# KiCad board FPGA_DevBoard.kicad_pcb (continued)
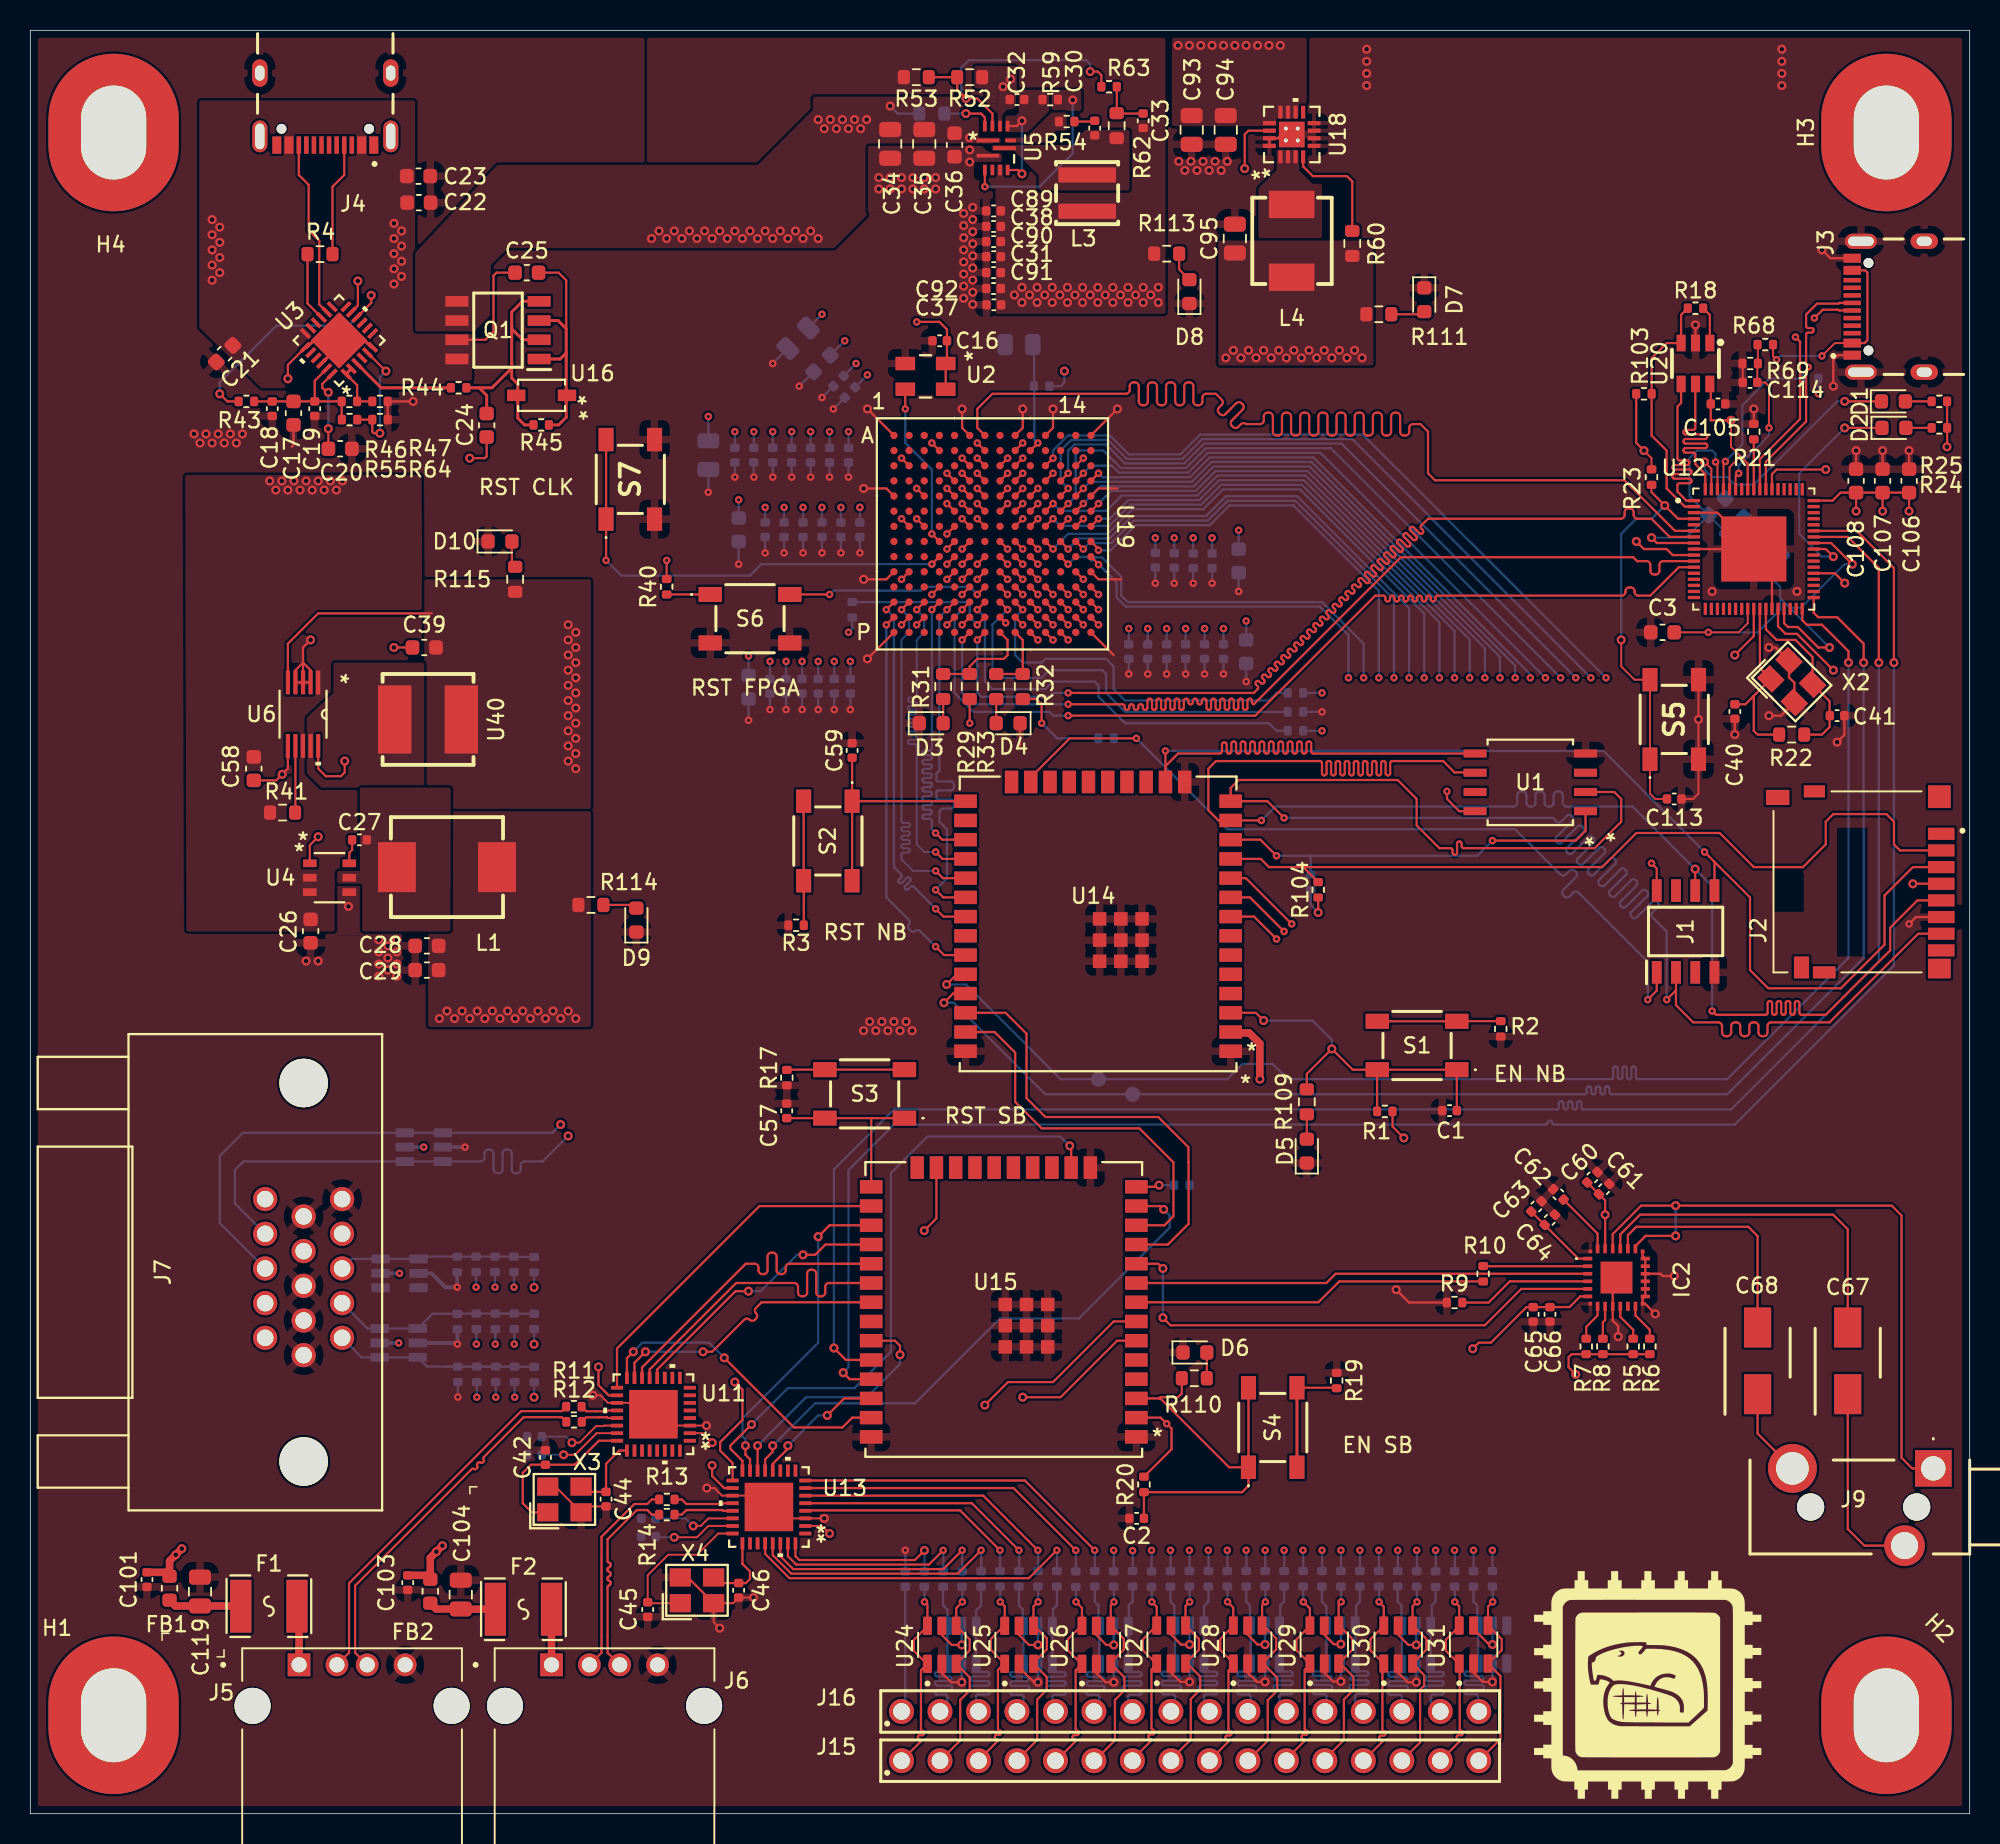
[diagram p0: board, top side]
## Routing (per net, layer and track width the routed paths; a pad name or vN(x,y) marks a point on that pad's centre or on a via; arc(x,y) is an arc through that point) (continued)
/FPGA_UNIT_B/GPIO_OUT_23: length 14.6
  Bottom signal w0.15: R93.2 75.25,14 75.5,13.75 75.5,12.49 U32.4 U32.3 75.56,9.5 arc(75.53,9.41) 75.44,9.38 74.8,9.38 arc(74.72,9.34) 74.68,9.26 74.68,9.2 arc(74.72,9.11) 74.8,9.08 75.77,9.08 arc(75.86,9.04) 75.89,8.96 75.89,8.9 arc(75.86,8.81) 75.77,8.78 74.8,8.78 arc(74.72,8.74) 74.68,8.66 74.68,8.6 arc(74.72,8.51) 74.8,8.48 75.82,8.48 arc(75.91,8.44) 75.94,8.36 75.94,8.3 arc(75.91,8.21) 75.82,8.18 74.8,8.18 arc(74.72,8.14) 74.68,8.06 74.68,8 arc(74.72,7.91) 74.8,7.88 75.44,7.88 arc(75.53,7.84) 75.56,7.76 75.56,7.03 J16.8
/FPGA_UNIT_B/GPIO_OUT_24: length 14.6
  Bottom signal w0.15: R94.2 77.75,14 77.46,13.71 U32.6 U32.1 77.46,9.5 arc(77.5,9.41) 77.58,9.38 78.22,9.38 arc(78.3,9.34) 78.34,9.26 78.34,9.2 arc(78.3,9.11) 78.22,9.08 77.26,9.08 arc(77.17,9.04) 77.14,8.96 77.14,8.9 arc(77.17,8.81) 77.26,8.78 78.22,8.78 arc(78.3,8.74) 78.34,8.66 78.34,8.6 arc(78.3,8.51) 78.22,8.48 77.21,8.48 arc(77.12,8.44) 77.09,8.36 77.09,8.3 arc(77.12,8.21) 77.21,8.18 78.22,8.18 arc(78.3,8.14) 78.34,8.06 78.34,8 arc(78.3,7.91) 78.22,7.88 77.58,7.88 arc(77.5,7.84) 77.46,7.76 77.46,7.11 J16.9
/FPGA_UNIT_B/GPIO_OUT_25: length 14.4
  Bottom signal w0.15: J16.10 80.54,6.93 80.54,7.75 arc(80.51,7.84) 80.42,7.87 79.79,7.87 arc(79.71,7.91) 79.67,7.99 79.67,8.05 arc(79.71,8.14) 79.79,8.17 80.79,8.17 arc(80.88,8.21) 80.91,8.29 80.91,8.35 arc(80.88,8.44) 80.79,8.47 79.79,8.47 arc(79.71,8.51) 79.67,8.59 79.67,8.65 arc(79.71,8.74) 79.79,8.77 80.74,8.77 arc(80.83,8.81) 80.86,8.89 80.86,8.95 arc(80.83,9.04) 80.74,9.07 79.79,9.07 arc(79.71,9.11) 79.67,9.19 79.67,9.25 arc(79.71,9.34) 79.79,9.37 80.42,9.37 arc(80.51,9.41) 80.54,9.49 U33.3 U33.4 80.5,12.46 80.5,13.75 80.25,14 R95.2
/FPGA_UNIT_B/GPIO_OUT_26: length 14.6
  Bottom signal w0.15: R96.2 82.75,14 82.5,13.75 82.5,12.48 U33.6 U33.1 82.44,9.51 arc(82.48,9.42) 82.56,9.39 83.19,9.39 arc(83.28,9.35) 83.31,9.27 83.31,9.21 arc(83.28,9.12) 83.19,9.09 82.24,9.09 arc(82.15,9.05) 82.12,8.97 82.12,8.91 arc(82.15,8.82) 82.24,8.79 83.19,8.79 arc(83.28,8.75) 83.31,8.67 83.31,8.61 arc(83.28,8.52) 83.19,8.49 82.19,8.49 arc(82.1,8.45) 82.07,8.37 82.07,8.31 arc(82.1,8.22) 82.19,8.19 83.19,8.19 arc(83.28,8.15) 83.31,8.07 83.31,8.01 arc(83.28,7.92) 83.19,7.89 82.56,7.89 arc(82.48,7.85) 82.44,7.77 82.44,7.21 J16.11
/FPGA_UNIT_B/GPIO_OUT_27: length 14.5
  Bottom signal w0.15: R97.2 85.25,14 85.54,13.71 U34.4 U34.3 85.54,9.51 arc(85.51,9.43) 85.42,9.39 84.78,9.39 arc(84.7,9.36) 84.66,9.27 84.66,9.21 arc(84.7,9.13) 84.78,9.09 85.76,9.09 arc(85.84,9.06) 85.88,8.97 85.88,8.91 arc(85.84,8.83) 85.76,8.79 84.78,8.79 arc(84.7,8.76) 84.66,8.67 84.66,8.61 arc(84.7,8.53) 84.78,8.49 85.81,8.49 arc(85.89,8.46) 85.93,8.37 85.93,8.31 arc(85.89,8.23) 85.81,8.19 84.78,8.19 arc(84.7,8.16) 84.66,8.07 84.66,8.01 arc(84.7,7.93) 84.78,7.89 85.42,7.89 arc(85.51,7.86) 85.54,7.77 85.54,6.85 J16.12
/FPGA_UNIT_B/GPIO_OUT_28: length 14.5
  Bottom signal w0.15: R98.2 87.75,14 87.5,13.75 87.5,12.48 U34.6 U34.1 87.44,9.53 arc(87.48,9.44) 87.56,9.41 88.19,9.41 arc(88.28,9.37) 88.31,9.29 88.31,9.23 arc(88.28,9.14) 88.19,9.11 87.25,9.11 arc(87.16,9.07) 87.13,8.99 87.13,8.93 arc(87.16,8.84) 87.25,8.81 88.19,8.81 arc(88.28,8.77) 88.31,8.69 88.31,8.63 arc(88.28,8.54) 88.19,8.51 87.2,8.51 arc(87.11,8.47) 87.08,8.39 87.08,8.33 arc(87.11,8.24) 87.2,8.21 88.19,8.21 arc(88.28,8.17) 88.31,8.09 88.31,8.03 arc(88.28,7.94) 88.19,7.91 87.56,7.91 arc(87.48,7.87) 87.44,7.79 87.44,7.29 J16.13
/FPGA_UNIT_B/GPIO_OUT_29: length 14.5
  Bottom signal w0.15: R99.2 90.25,14 90.5,13.75 90.5,12.42 U35.4 U35.3 90.52,9.47 arc(90.49,9.39) 90.4,9.35 89.76,9.35 arc(89.67,9.32) 89.64,9.23 89.64,9.17 arc(89.67,9.09) 89.76,9.05 90.74,9.05 arc(90.83,9.02) 90.86,8.93 90.86,8.87 arc(90.83,8.79) 90.74,8.75 89.76,8.75 arc(89.67,8.72) 89.64,8.63 89.64,8.57 arc(89.67,8.49) 89.76,8.45 90.79,8.45 arc(90.88,8.42) 90.91,8.33 90.91,8.27 arc(90.88,8.19) 90.79,8.15 89.76,8.15 arc(89.67,8.12) 89.64,8.03 89.64,7.97 arc(89.67,7.89) 89.76,7.85 90.4,7.85 arc(90.49,7.82) 90.52,7.73 90.52,6.75 J16.14
/FPGA_UNIT_B/GPIO_OUT_30: length 14.5
  Bottom signal w0.15: J16.15 92.42,7.39 92.42,7.74 arc(92.46,7.83) 92.54,7.86 93.16,7.86 arc(93.25,7.9) 93.28,7.98 93.28,8.04 arc(93.25,8.13) 93.16,8.16 92.18,8.16 arc(92.1,8.2) 92.06,8.28 92.06,8.34 arc(92.1,8.43) 92.18,8.46 93.16,8.46 arc(93.25,8.5) 93.28,8.58 93.28,8.64 arc(93.25,8.73) 93.16,8.76 92.23,8.76 arc(92.15,8.8) 92.11,8.88 92.11,8.94 arc(92.15,9.03) 92.23,9.06 93.16,9.06 arc(93.25,9.1) 93.28,9.18 93.28,9.24 arc(93.25,9.33) 93.16,9.36 92.54,9.36 arc(92.46,9.4) 92.42,9.48 U35.1 U35.6 92.5,12.48 92.5,13.75 92.75,14 R100.2
/FPGA_UNIT_B/GPIO_OUT_31: length 14.5
  Bottom signal w0.15: R101.2 95.25,14 95.5,13.75 95.5,12.48 U36.4 U36.3 95.55,9.51 arc(95.52,9.42) 95.43,9.39 94.79,9.39 arc(94.7,9.35) 94.67,9.27 94.67,9.21 arc(94.7,9.12) 94.79,9.09 95.77,9.09 arc(95.85,9.05) 95.89,8.97 95.89,8.91 arc(95.85,8.82) 95.77,8.79 94.79,8.79 arc(94.7,8.75) 94.67,8.67 94.67,8.61 arc(94.7,8.52) 94.79,8.49 95.82,8.49 arc(95.9,8.45) 95.94,8.37 95.94,8.31 arc(95.9,8.22) 95.82,8.19 94.79,8.19 arc(94.7,8.15) 94.67,8.07 94.67,8.01 arc(94.7,7.92) 94.79,7.89 95.43,7.89 arc(95.52,7.85) 95.55,7.77 95.55,6.8 J16.16
/FPGA_UNIT_B/Green: length 15
  Bottom signal w0.15: R49.2 R48.2 ; R48.2 31.95,33.01 R107.2 ; R48.2 28.2,33.02 R56.1 26.54,33.01 U37.1 U37.6 22.26,32.03 J7.2
/FPGA_UNIT_B/HSYNC: length 90.5
  Top signal w0.15: U19.N10 v1(66.5,78.5)
  Top PWR w0.15: v1(66.5,78.5) 66,78 66,77 61.78,72.78 61.03,72.78 60.75,72.5 60.75,55.22 61,54.97 61,54.53 60.75,54.28 60.75,53.84 60.83,53.76 60.83,53.33 60.75,53.25 60.75,52.5 59.25,51 40.5,51 v2(35,45.5)
  Bottom signal w0.15: v2(35,45.5) 34.46,44.96 U39.1 U39.6 14.04,44.96 12.5,43.42 12.5,39 J7.13
/FPGA_UNIT_B/Red: length 18
  Bottom signal w0.15: R108.2 31.98,29.51 R57.2 ; 27.45,29.52 R57.2 ; R57.2 R65.1 26.18,29.52 U37.3 U37.4 21.87,30.13 J7.1
/FPGA_UNIT_B/VSYNC: length 90.4
  Top signal w0.15: U19.P10 v1(66.5,77.5)
  Top PWR w0.15: v1(66.5,77.5) 66.5,77 61.97,72.47 61.8,72.47 61.5,72.17 61.5,52.19 59.56,50.25 41,50.25 v2(35.5,44.75)
  Bottom signal w0.15: v2(35.5,44.75) 33.82,43.07 32.61,43.07 arc(32.44,43) 32.37,42.83 32.37,42.53 arc(32.3,42.36) 32.13,42.29 32.01,42.29 arc(31.84,42.36) 31.77,42.53 31.77,43.61 arc(31.7,43.78) 31.53,43.85 31.41,43.85 arc(31.24,43.78) 31.17,43.61 31.17,42.53 arc(31.1,42.36) 30.93,42.29 30.81,42.29 arc(30.64,42.36) 30.57,42.53 30.57,43.61 arc(30.5,43.78) 30.33,43.85 30.21,43.85 arc(30.04,43.78) 29.97,43.61 29.97,43.31 arc(29.9,43.14) 29.73,43.07 14.07,43.07 13.5,42.5 13.5,40.29 J7.14
/NorthBridge/EN: length 25.6
  Top signal w0.15: U14.3 80.89,52.88 v2(81.4,52.37) ; S1.2 88.89,49.11 R1.2 ; S1.2 87.28,49.12 v2(85.9,50.5) 84.25,48.85 R109.1 ; S1.2 S1.1 C1.1
  Bottom signal w0.15: v2(85.9,50.5) 85.9,51.1 84.63,52.37 v2(81.4,52.37)
/NorthBridge/HSPI_CLK: length 110.8
  Top signal w0.15: 126.5,60.3 124.55,60.3 122.75,58.5 122.75,57 118.5,52.75 116.88,52.75 arc(116.79,52.79) 116.76,52.87 116.76,53.53 arc(116.72,53.62) 116.64,53.65 116.58,53.65 arc(116.49,53.62) 116.46,53.53 116.46,52.87 arc(116.42,52.79) 116.34,52.75 116.28,52.75 arc(116.19,52.79) 116.16,52.87 116.16,53.53 arc(116.12,53.62) 116.04,53.65 115.98,53.65 arc(115.89,53.62) 115.86,53.53 115.86,52.87 arc(115.82,52.79) 115.74,52.75 115.68,52.75 arc(115.59,52.79) 115.56,52.87 115.56,53.53 arc(115.52,53.62) 115.44,53.65 115.38,53.65 arc(115.29,53.62) 115.26,53.53 115.26,52.87 arc(115.22,52.79) 115.14,52.75 115.08,52.75 arc(114.99,52.79) 114.96,52.87 114.96,53.53 arc(114.92,53.62) 114.84,53.65 114.78,53.65 arc(114.69,53.62) 114.66,53.53 114.66,52.87 arc(114.62,52.79) 114.54,52.75 111.25,52.75 v1(111,53) ; U1.6 95.34,68.75 94,68.75 93.25,69.5 89.87,69.5 arc(89.79,69.46) 89.75,69.38 89.75,68.68 arc(89.72,68.6) 89.63,68.56 89.57,68.56 arc(89.49,68.6) 89.45,68.68 89.45,69.38 arc(89.42,69.46) 89.33,69.5 89.27,69.5 arc(89.19,69.46) 89.15,69.38 89.15,68.68 arc(89.12,68.6) 89.03,68.56 88.97,68.56 arc(88.89,68.6) 88.85,68.68 88.85,69.38 arc(88.82,69.46) 88.73,69.5 88.67,69.5 arc(88.59,69.46) 88.55,69.38 88.55,68.68 arc(88.52,68.6) 88.43,68.56 88.37,68.56 arc(88.29,68.6) 88.25,68.68 88.25,69.38 arc(88.22,69.46) 88.13,69.5 88.07,69.5 arc(87.99,69.46) 87.95,69.38 87.95,68.68 arc(87.92,68.6) 87.83,68.56 87.77,68.56 arc(87.69,68.6) 87.65,68.68 87.65,69.38 arc(87.62,69.46) 87.53,69.5 87.47,69.5 arc(87.39,69.46) 87.35,69.38 87.35,68.68 arc(87.32,68.6) 87.23,68.56 87.17,68.56 arc(87.09,68.6) 87.05,68.68 87.05,69.38 arc(87.02,69.46) 86.93,69.5 86.87,69.5 arc(86.79,69.46) 86.75,69.38 86.75,68.68 arc(86.72,68.6) 86.63,68.56 86.57,68.56 arc(86.49,68.6) 86.45,68.68 86.45,69.38 arc(86.42,69.46) 86.33,69.5 86.27,69.5 arc(86.19,69.46) 86.15,69.38 86.15,68.68 arc(86.12,68.6) 86.03,68.56 85.97,68.56 arc(85.89,68.6) 85.85,68.68 85.85,69.38 arc(85.82,69.46) 85.73,69.5 85.67,69.5 arc(85.59,69.46) 85.55,69.38 85.55,68.68 arc(85.52,68.6) 85.43,68.56 85.37,68.56 arc(85.29,68.6) 85.25,68.68 85.25,69.38 arc(85.22,69.46) 85.13,69.5 78.25,69.5 77.75,69 77.75,66.25 78.42,65.58 U14.13 v1(81.25,65.58) ; J1.6 109.88,60.95 v2(109.88,62.37)
  Bottom signal w0.15: v1(111,53) 111,61.25 v2(109.88,62.37) 105.75,66.5 101.38,66.5 arc(101.21,66.57) 101.14,66.74 101.14,67.26 arc(101.07,67.43) 100.9,67.5 100.78,67.5 arc(100.61,67.43) 100.54,67.26 100.54,66.74 arc(100.47,66.57) 100.3,66.5 100.18,66.5 arc(100.01,66.57) 99.94,66.74 99.94,67.26 arc(99.87,67.43) 99.7,67.5 99.58,67.5 arc(99.41,67.43) 99.34,67.26 99.34,66.74 arc(99.27,66.57) 99.1,66.5 98.98,66.5 arc(98.81,66.57) 98.74,66.74 98.74,67.26 arc(98.67,67.43) 98.5,67.5 98.38,67.5 arc(98.21,67.43) 98.14,67.26 98.14,66.74 arc(98.07,66.57) 97.9,66.5 82.17,66.5 v1(81.25,65.58)
/NorthBridge/HSPI_CS_FL: length 27.1
  Top signal w0.15: U14.12 81.19,64.31 v1(82.25,63.25) ; U1.1 102.64,64.89 102,64.25 v1(96.5,64.25)
  Bottom signal w0.15: 84.5,63.25 95.5,63.25 v1(96.5,64.25) ; 84.5,63.25 R102.2 ; 84.5,63.25 v1(82.25,63.25)
/NorthBridge/HSPI_CS_PS: length 57
  Top signal w0.15: U14.23 66.03,68.42 68.61,71 v1(73,71) ; J1.1 107.34,54.34 v1(106.75,53.75)
  Bottom signal w0.15: R30.2 v1(73,71) 79,65 98,65 101,62 arc(101.17,61.93) 101.34,62 101.59,62.26 arc(101.76,62.33) 101.93,62.26 102.02,62.18 arc(102.09,62.01) 102.02,61.84 101.16,60.98 arc(101.09,60.81) 101.16,60.64 101.25,60.56 arc(101.42,60.49) 101.59,60.56 101.85,60.82 arc(102.02,60.89) 102.18,60.82 106.75,56.25 v1(106.75,53.75)
/NorthBridge/HSPI_CS_SD: length 55
  Top signal w0.15: 84,62.5 103.75,62.5 106,64.75 111.5,64.75 113.75,62.5 117,62.5 118.5,64 118.5,65.5 119,66 122.5,66 123,65.5 123,64 123.4,63.6 126.5,63.6 ; 84,62.5 81.75,62.5 81.21,63.04 U14.11 ; 84,62.5 84.01,62.5 R104.2
/NorthBridge/HSPI_MISO: length 130.2
  Top signal w0.15: 108.62,54.36 108.62,53.39 109.75,52.25 111.41,52.25 arc(111.58,52.18) 111.65,52.01 111.65,51.58 arc(111.73,51.41) 111.89,51.34 112.01,51.34 arc(112.18,51.41) 112.25,51.58 112.25,52.01 arc(112.33,52.18) 112.49,52.25 112.61,52.25 arc(112.78,52.18) 112.85,52.01 112.85,51.58 arc(112.93,51.41) 113.09,51.34 113.21,51.34 arc(113.38,51.41) 113.45,51.58 113.45,52.01 arc(113.53,52.18) 113.69,52.25 113.81,52.25 arc(113.98,52.18) 114.05,52.01 114.05,51.58 arc(114.13,51.41) 114.29,51.34 114.41,51.34 arc(114.58,51.41) 114.65,51.58 114.65,52.01 arc(114.73,52.18) 114.89,52.25 118.75,52.25 124.6,58.1 126.5,58.1 ; 108.62,54.36 J1.2 ; 108.62,54.36 v1(108,53.75) ; U1.2 104.54,67.46 105,67 105,65.5 103.25,63.75 94.59,63.75 arc(94.5,63.79) 94.47,63.87 94.47,64.07 arc(94.43,64.15) 94.35,64.19 94.29,64.19 arc(94.2,64.15) 94.17,64.07 94.17,63.43 arc(94.13,63.35) 94.05,63.31 93.99,63.31 arc(93.9,63.35) 93.87,63.43 93.87,63.63 arc(93.83,63.71) 93.75,63.75 93,63.75 91.5,65.25 91.5,67 90.25,68.25 79.75,68.25 79.22,67.72 U14.14 81.65,66.85 v1(82.75,65.75)
  Bottom signal w0.15: v1(82.75,65.75) 100.5,65.75 100.75,65.5 arc(100.89,65.44) 101.03,65.5 101.42,65.89 arc(101.56,65.95) 101.71,65.89 101.78,65.82 arc(101.84,65.68) 101.78,65.54 100.71,64.47 arc(100.65,64.33) 100.71,64.19 100.78,64.12 arc(100.93,64.06) 101.07,64.12 102.13,65.18 arc(102.27,65.24) 102.41,65.18 102.48,65.11 arc(102.54,64.97) 102.48,64.83 101.42,63.77 arc(101.36,63.62) 101.42,63.48 101.49,63.41 arc(101.63,63.35) 101.77,63.41 102.84,64.48 arc(102.98,64.53) 103.12,64.48 103.19,64.41 arc(103.25,64.26) 103.19,64.12 102.13,63.06 arc(102.07,62.92) 102.13,62.78 102.2,62.71 arc(102.34,62.65) 102.48,62.71 103.54,63.77 arc(103.69,63.83) 103.83,63.77 103.9,63.7 arc(103.96,63.56) 103.9,63.42 102.83,62.35 arc(102.78,62.21) 102.83,62.07 102.91,62 arc(103.05,61.94) 103.19,62 104.25,63.06 arc(104.39,63.12) 104.53,63.06 104.61,62.99 arc(104.66,62.85) 104.61,62.71 103.54,61.64 arc(103.48,61.5) 103.54,61.36 103.61,61.29 arc(103.75,61.23) 103.9,61.29 104.96,62.35 arc(105.1,62.41) 105.24,62.35 105.31,62.28 arc(105.37,62.14) 105.31,62 104.25,60.94 arc(104.19,60.8) 104.25,60.65 104.32,60.58 arc(104.46,60.53) 104.6,60.58 105.67,61.65 arc(105.81,61.71) 105.95,61.65 106.02,61.58 arc(106.08,61.44) 106.02,61.29 104.96,60.23 arc(104.9,60.09) 104.96,59.95 105.03,59.88 arc(105.17,59.82) 105.31,59.88 106.37,60.94 arc(106.51,61) 106.66,60.94 106.73,60.87 arc(106.79,60.73) 106.73,60.59 105.66,59.52 arc(105.6,59.38) 105.66,59.24 105.73,59.17 arc(105.87,59.11) 106.02,59.17 107.08,60.23 arc(107.22,60.29) 107.36,60.23 107.43,60.16 arc(107.49,60.02) 107.43,59.88 107.04,59.49 arc(106.98,59.35) 107.04,59.21 108,58.25 v1(108,53.75)
/NorthBridge/HSPI_MOSI: length 105.1
  Top signal w0.15: 111.12,62.88 v1(110.5,63.5) ; 111.12,62.88 111.16,62.84 J1.5 ; 111.12,62.88 113.5,60.5 113.5,55.7 114.7,54.5 119.5,54.5 122.38,57.38 122.38,60.62 124.25,62.5 126.5,62.5 ; 95,70 84.66,70 arc(84.58,70.04) 84.54,70.12 84.54,70.66 arc(84.5,70.75) 84.42,70.79 84.35,70.79 arc(84.27,70.75) 84.23,70.66 84.23,70.12 arc(84.19,70.04) 84.11,70 84.04,70 arc(83.96,70.04) 83.92,70.12 83.92,70.66 arc(83.88,70.75) 83.8,70.79 83.73,70.79 arc(83.65,70.75) 83.61,70.66 83.61,70.12 arc(83.57,70.04) 83.49,70 83.42,70 arc(83.34,70.04) 83.3,70.12 83.3,70.66 arc(83.26,70.75) 83.18,70.79 83.11,70.79 arc(83.03,70.75) 82.99,70.66 82.99,70.12 arc(82.95,70.04) 82.87,70 82.8,70 arc(82.72,70.04) 82.68,70.12 82.68,70.66 arc(82.64,70.75) 82.56,70.79 82.49,70.79 arc(82.41,70.75) 82.37,70.66 82.37,70.12 arc(82.33,70.04) 82.25,70 82.18,70 arc(82.1,70.04) 82.06,70.12 82.06,70.66 arc(82.02,70.75) 81.94,70.79 81.87,70.79 arc(81.79,70.75) 81.75,70.66 81.75,70.12 arc(81.71,70.04) 81.63,70 81.56,70 arc(81.48,70.04) 81.44,70.12 81.44,70.66 arc(81.4,70.75) 81.32,70.79 81.25,70.79 arc(81.17,70.75) 81.13,70.66 81.13,70.12 arc(81.09,70.04) 81.01,70 80.94,70 arc(80.86,70.04) 80.82,70.12 80.82,70.66 arc(80.78,70.75) 80.7,70.79 80.63,70.79 arc(80.55,70.75) 80.51,70.66 80.51,70.12 arc(80.47,70.04) 80.39,70 80.32,70 arc(80.24,70.04) 80.2,70.12 80.2,70.66 arc(80.16,70.75) 80.08,70.79 80.01,70.79 arc(79.93,70.75) 79.89,70.66 79.89,70.12 arc(79.85,70.04) 79.77,70 79.7,70 arc(79.62,70.04) 79.58,70.12 79.58,70.66 arc(79.54,70.75) 79.46,70.79 79.39,70.79 arc(79.31,70.75) 79.27,70.66 79.27,70.12 arc(79.23,70.04) 79.15,70 79.08,70 arc(79,70.04) 78.96,70.12 78.96,70.61 arc(78.92,70.7) 78.84,70.74 78.77,70.74 arc(78.69,70.7) 78.65,70.61 78.65,70.12 arc(78.61,70.04) 78.53,70 75.75,70 74.92,69.17 U14.16 v1(74.92,70.17)
  Bottom signal w0.15: v1(74.92,70.17) 103.83,70.17 v1(110.5,63.5)
/NorthBridge/Rst: length 15.6
  Top signal w0.15: U14.25 S2.1 ; S2.1 S2.2 ; S2.1 C59.1
/Power/CC1: length 7.5
  Top signal w0.15: J4.A5 20.72,108.2 19.95,107.42 R4.1
/Power/CC2: length 11.8
  Top signal w0.15: U3.14 19.07,99.65 19.07,103.85 18.37,104.55 18.37,107.55 17.72,108.2 J4.B5
/Power/ICFB: length 8.3
  Top signal w0.15: U3.5 v2(23.47,95.25) ; v2(23.07,91.15) 22.67,91.15 22.57,91.25 R64.1 R55.2
  Bottom signal w0.15: v2(23.47,95.25) 23.07,94.85 v2(23.07,91.15)
/Power/VFB: length 3.5
  Top signal w0.15: 21.57,93.35 21.57,94.32 U3.1 ; R46.2 R47.1
  Top signal w0.2: U3.1 U3.2
/SouthBridge/BCLK: length 6.9
  Top signal w0.15: IC2.2 95.9,36.15
/SouthBridge/COM: length 44.6
  Top signal w0.15: IC2.19 105.94,37.48 106.61,38.15 v2(108.59,38.15) ; IC2.22 104.44,38.27 106.31,40.15 v2(108.59,40.15) 122.85,40.15 123.5,39.5 123.5,23.5 124.2,22.8 J9.1
  Top signal w0.2: 105.93,37.38 105.93,37.4
  Bottom signal w0.15: v2(108.59,40.15) v2(108.59,38.15)
/SouthBridge/DIN: length 34.4
  Top signal w0.15: IC2.5 98.4,34.65 96,32.25 75.25,32.25 v2(74.75,32.75) ; v2(74.75,36) 74.44,36.31 U15.10
  Bottom signal w0.15: v2(74.75,36) v2(74.75,32.75)
/SouthBridge/EN: length 27.2
  Top signal w0.15: S4.1 80.4,21.65 79.98,21.23 R20.2 C2.1 ; S4.1 S4.2 ; S4.1 79.12,22.88 74.58,27.42 74.5,27.42 ; 74.5,27.42 74.58,27.5 75.75,27.5 76,27.75 R110.1 ; 74.5,27.42 U15.3
/SouthBridge/FSYNC: length 30
  Top signal w0.15: IC2.3 86.15,35.65 85.54,35.04 U15.9
/SouthBridge/OUTP1: length 16
  Top signal w0.15: IC2.20 105.44,38.2 105.99,38.75 113.39,38.75 114,38.14 C68.2
/SouthBridge/OUTP2: length 23.4
  Top signal w0.15: C67.2 119.95,38.59 118.99,39.55 106.24,39.55 104.94,38.25 IC2.21
/SouthBridge/Rst: length 12.3
  Top signal w0.15: 55.49,45.93 55.5,45.92 U15.25 ; 55.49,45.93 S3.1 ; 55.49,45.93 S3.2 C57.1
/USB_HUB/HOST1_X0: length 5.4
  Top signal w0.15: U11.25 38.87,23.97 38,23.1 C44.1 36.7,21.25 X3.3
/USB_HUB/HOST1_XI: length 11.5
  Top signal w0.15: 33.78,20.27 X3.1 33.1,19.9 32.5,20.5 32.5,22.5 33.04,23.04 C42.2 35.94,23.04 37.53,24.63 U11.24
/USB_HUB/HOST2_X0: length 5.2
  Top signal w0.15: X4.3 45.47,15.23 C46.1 47.23,15.23 47.5,15.5 47.5,16 47,16.5 U13.25
/USB_HUB/HOST2_XI: length 11.7
  Top signal w0.13: X4.1 40.81,13.9 C45.2 40.75,15.75 42.1,17.1 44,17.1 45.4,18.5 U13.24 ; X4.1 42.75,13.75 ; X4.1 43.2,13.9
  Top signal w0.15: X4.1 42.53,14.27
/USB_HUB/USB1+: length 2.5
  Top signal w0.15: R12.2 36.69,26.17 37.5,26.17 37.5,26.18 38.07,26.18 38.12,26.13 U11.21
/USB_HUB/USB1-: length 2.5
  Top signal w0.15: R11.2 36.69,26.57 37.34,26.57 37.35,26.58 38.07,26.58 38.12,26.63 U11.20
/USB_HUB/USB1_N: length 24.9
  Top signal w0.15: 20.22,9.85 J5.2 21.04,10.63 21.04,15.22 32.4,26.58 35.07,26.58 R11.1
/USB_HUB/USB1_P: length 24.9
  Top signal w0.15: R12.1 35.07,26.18 32.56,26.18 29.92,23.54 arc(29.89,23.47) 29.92,23.4 arc(29.95,23.33) 29.92,23.26 29.85,23.19 arc(29.78,23.16) 29.71,23.19 arc(29.64,23.21) 29.57,23.19 29.5,23.11 arc(29.47,23.04) 29.5,22.97 arc(29.53,22.9) 29.5,22.83 29.43,22.76 arc(29.36,22.73) 29.29,22.76 arc(29.21,22.79) 29.14,22.76 21.44,15.05 21.44,10.63 J5.3 22.12,9.95
/USB_HUB/USB2+: length 4
  Top signal w0.15: U13.21 45.74,20 45.69,20.05 43.3,20.05 43,19.75 R14.2
/USB_HUB/USB2-: length 4
  Top signal w0.15: R13.2 43,20.75 43.3,20.45 45.69,20.45 45.74,20.5 U13.20
/USB_HUB/USB2_N: length 13.7
  Top signal w0.15: 36.98,9.91 J6.2 37.7,10.63 37.7,18.28 39.87,20.45 40.72,20.45 41.02,20.75 R13.1
/USB_HUB/USB2_P: length 13.7
  Top signal w0.15: R14.1 41.02,19.75 40.72,20.05 40.03,20.05 38.1,18.12 38.1,16.67 arc(38.13,16.6) 38.2,16.57 arc(38.27,16.54) 38.3,16.47 38.3,16.37 arc(38.27,16.3) 38.2,16.27 arc(38.13,16.24) 38.1,16.17 38.1,16.07 arc(38.13,16) 38.2,15.97 arc(38.27,15.94) 38.3,15.87 38.3,15.77 arc(38.27,15.7) 38.2,15.67 arc(38.13,15.64) 38.1,15.57 38.1,15.47 arc(38.13,15.4) 38.2,15.37 arc(38.27,15.34) 38.3,15.27 38.3,15.17 arc(38.27,15.1) 38.2,15.07 arc(38.13,15.04) 38.1,14.97 38.1,10.63 J6.3 38.88,9.85
/USB_IN/PD1_SVBUS: length 11.1
  Top signal w0.13: U12.63 112.55,88.3 v1(112.75,88.5) ; v1(114.75,91.5) 114.75,94.25 114.5,94.5 C114.1 113.98,95.71 R69.2 114.02,96.98 R68.1
  Bottom signal w0.13: v1(114.75,91.5) 114.75,91 112.75,89 v1(112.75,88.5)
/USB_IN/USB_N: length 17.2
  Top signal w0.15: J3.A7 119.38,99.75 119.33,99.7 117.92,99.7 117.2,98.98 117.2,98.21 arc(117.24,98.13) 117.32,98.09 117.58,98.09 arc(117.66,98.05) 117.7,97.97 117.7,97.91 arc(117.66,97.83) 117.58,97.79 117.32,97.79 arc(117.24,97.75) 117.2,97.67 117.2,95.78 arc(117.24,95.7) 117.32,95.66 117.39,95.66 arc(117.47,95.63) 117.51,95.54 117.51,95.48 arc(117.47,95.4) 117.39,95.36 117.32,95.36 arc(117.24,95.33) 117.2,95.24 117.2,91.92 114.55,89.27 U12.58
/USB_IN/USB_P: length 15.8
  Top signal w0.15: v1(116.5,97.5) 116.8,97.2 116.8,92.08 114.15,89.43 U12.59 ; v1(117.75,98.75) 118.3,99.3 119.33,99.3 119.38,99.25 J3.A6
  Top PWR w0.15: v1(117.75,98.75) v1(116.5,97.5)
/USB_IN/VCORE: length 53.3
  Top signal w0.13: C3.1 v1(110.75,78) 112.75,78 113.35,78.6 U12.25 ; v1(111.23,89.25) 111.35,89.12 U12.66
  Top signal w0.15: U12.31 115.75,78.6 116,78.35 116.65,78.35 118,77 v2(118.75,77) ; v2(107,84.25) 107.35,83.9 U12.8 ; U12.44 118.85,83.9 v2(120.25,82.5)
  Bottom signal w0.13: v2(107,84.25) 109.28,84.25 C112.1 ; 116.12,79.62 116.88,79.62 119.75,82.5 v2(120.25,82.5) ; 116.12,79.62 115.5,80.25 ; 116.12,79.62 v2(118.75,77) ; 115.5,80.25 115.5,81 C109.1 C112.1 ; 115.5,80.25 115.5,79.5 114,78 v1(110.75,78) ; C112.1 109.5,87 109.5,89.5 110,90 111,90 111.23,89.77 v1(111.23,89.25)
/USB_IN/XTALIN: length 12.1
  Top signal w0.15: 113.75,73.81 113.19,73.25 C40.2 ; 113.75,73.81 113.75,71.5 114,71.25 R22.1 ; 113.75,73.81 X2.1 114.15,75.65 U12.27
/USB_IN/XTALOUT: length 12.2
  Top signal w0.15: R22.2 118.25,71.25 118.75,71.75 118.75,73.45 X2.3 117.63,76.37 116.5,77.5 115.25,77.5 114.55,78.2 U12.28
B0: length 86.7
  Top signal w0.15: U19.M10 v1(66.5,79.5)
  Top PWR w0.15: v1(66.5,79.5) 67,79 67,77 62.5,72.5 62.5,51.78 59.97,49.25 57.35,49.25 arc(57.23,49.3) 57.18,49.42 57.18,49.78 arc(57.13,49.9) 57.01,49.95 56.93,49.95 arc(56.81,49.9) 56.76,49.78 56.76,49.42 arc(56.71,49.3) 56.59,49.25 56.51,49.25 arc(56.39,49.3) 56.34,49.42 56.34,49.78 arc(56.29,49.9) 56.17,49.95 56.09,49.95 arc(55.97,49.9) 55.92,49.78 55.92,49.42 arc(55.87,49.3) 55.75,49.25 55.67,49.25 arc(55.55,49.3) 55.5,49.42 55.5,49.78 arc(55.45,49.9) 55.33,49.95 55.25,49.95 arc(55.13,49.9) 55.08,49.78 55.08,49.42 arc(55.03,49.3) 54.91,49.25 54.83,49.25 arc(54.71,49.3) 54.66,49.42 54.66,49.78 arc(54.61,49.9) 54.49,49.95 54.41,49.95 arc(54.29,49.9) 54.24,49.78 54.24,49.42 arc(54.19,49.3) 54.07,49.25 53.99,49.25 arc(53.87,49.3) 53.82,49.42 53.82,49.78 arc(53.77,49.9) 53.65,49.95 53.57,49.95 arc(53.45,49.9) 53.4,49.78 53.4,49.42 arc(53.35,49.3) 53.23,49.25 53.15,49.25 arc(53.03,49.3) 52.98,49.42 52.98,49.78 arc(52.93,49.9) 52.81,49.95 52.73,49.95 arc(52.61,49.9) 52.56,49.78 52.56,49.42 arc(52.51,49.3) 52.39,49.25 52.31,49.25 arc(52.19,49.3) 52.14,49.42 52.14,49.78 arc(52.09,49.9) 51.97,49.95 51.89,49.95 arc(51.77,49.9) 51.72,49.78 51.72,49.42 arc(51.67,49.3) 51.55,49.25 51.47,49.25 arc(51.35,49.3) 51.3,49.42 51.3,49.78 arc(51.25,49.9) 51.13,49.95 51.05,49.95 arc(50.93,49.9) 50.88,49.78 50.88,49.42 arc(50.83,49.3) 50.71,49.25 50.63,49.25 arc(50.51,49.3) 50.46,49.42 50.46,49.78 arc(50.41,49.9) 50.29,49.95 50.21,49.95 arc(50.09,49.9) 50.04,49.78 50.04,49.42 arc(49.99,49.3) 49.87,49.25 49.79,49.25 arc(49.67,49.3) 49.62,49.42 49.62,49.78 arc(49.57,49.9) 49.45,49.95 49.37,49.95 arc(49.25,49.9) 49.2,49.78 49.2,49.42 arc(49.15,49.3) 49.03,49.25 48.95,49.25 arc(48.83,49.3) 48.78,49.42 48.78,49.78 arc(48.73,49.9) 48.61,49.95 48.53,49.95 arc(48.41,49.9) 48.36,49.78 48.36,49.42 arc(48.31,49.3) 48.19,49.25 48.11,49.25 arc(47.99,49.3) 47.94,49.42 47.94,49.78 arc(47.89,49.9) 47.77,49.95 47.69,49.95 arc(47.57,49.9) 47.52,49.78 47.52,49.42 arc(47.47,49.3) 47.35,49.25 40.95,49.25 29.42,37.72 v1(29.42,34.77)
  Bottom signal w0.15: R28.1 v1(29.42,34.77)
B1: length 90.4
  Top signal w0.15: U19.P11 v1(67.5,77.5)
  Top PWR w0.15: v1(30.67,34.77) 30.67,38.42 40.75,48.5 60.28,48.5 60.54,48.76 arc(60.58,48.86) 60.54,48.96 60.45,49.05 arc(60.41,49.14) 60.45,49.24 60.5,49.29 arc(60.6,49.33) 60.7,49.29 60.79,49.2 arc(60.89,49.16) 60.99,49.2 61.04,49.25 arc(61.08,49.35) 61.04,49.45 60.95,49.54 arc(60.91,49.64) 60.95,49.74 61,49.79 arc(61.1,49.83) 61.2,49.79 61.28,49.7 arc(61.38,49.66) 61.48,49.7 61.53,49.75 arc(61.57,49.85) 61.53,49.95 61.44,50.03 arc(61.4,50.13) 61.44,50.23 61.49,50.28 arc(61.59,50.32) 61.69,50.28 61.78,50.19 arc(61.88,50.15) 61.98,50.19 62.03,50.24 arc(62.07,50.34) 62.03,50.44 61.94,50.53 arc(61.9,50.63) 61.94,50.73 61.99,50.78 arc(62.09,50.82) 62.19,50.78 62.27,50.69 arc(62.37,50.65) 62.47,50.69 62.52,50.74 arc(62.56,50.84) 62.52,50.94 62.43,51.02 arc(62.39,51.12) 62.43,51.22 62.48,51.27 arc(62.58,51.31) 62.68,51.27 62.77,51.18 arc(62.87,51.14) 62.97,51.18 63.25,51.47 63.25,51.77 arc(63.21,51.87) 63.11,51.91 62.99,51.91 arc(62.89,51.95) 62.85,52.05 62.85,52.12 arc(62.89,52.22) 62.99,52.26 63.11,52.26 arc(63.21,52.3) 63.25,52.4 63.25,52.47 arc(63.21,52.57) 63.11,52.61 62.99,52.61 arc(62.89,52.65) 62.85,52.75 62.85,52.82 arc(62.89,52.92) 62.99,52.96 63.11,52.96 arc(63.21,53) 63.25,53.1 63.25,53.17 arc(63.21,53.27) 63.11,53.31 62.99,53.31 arc(62.89,53.35) 62.85,53.45 62.85,53.52 arc(62.89,53.62) 62.99,53.66 63.11,53.66 arc(63.21,53.7) 63.25,53.8 63.25,53.87 arc(63.21,53.97) 63.11,54.01 62.99,54.01 arc(62.89,54.05) 62.85,54.15 62.85,54.22 arc(62.89,54.32) 62.99,54.36 63.11,54.36 arc(63.21,54.4) 63.25,54.5 63.25,54.57 arc(63.21,54.67) 63.11,54.71 62.99,54.71 arc(62.89,54.75) 62.85,54.85 62.85,54.92 arc(62.89,55.02) 62.99,55.06 63.11,55.06 arc(63.21,55.1) 63.25,55.2 63.25,55.27 arc(63.21,55.37) 63.11,55.41 62.99,55.41 arc(62.89,55.45) 62.85,55.55 62.85,55.62 arc(62.89,55.72) 62.99,55.76 63.11,55.76 arc(63.21,55.8) 63.25,55.9 63.25,55.97 arc(63.21,56.07) 63.11,56.11 62.99,56.11 arc(62.89,56.15) 62.85,56.25 62.85,56.32 arc(62.89,56.42) 62.99,56.46 63.11,56.46 arc(63.21,56.5) 63.25,56.6 63.25,56.67 arc(63.21,56.77) 63.11,56.81 62.99,56.81 arc(62.89,56.85) 62.85,56.95 62.85,57.02 arc(62.89,57.12) 62.99,57.16 63.11,57.16 arc(63.21,57.2) 63.25,57.3 63.25,57.37 arc(63.21,57.47) 63.11,57.51 62.99,57.51 arc(62.89,57.55) 62.85,57.65 62.85,57.72 arc(62.89,57.82) 62.99,57.86 63.11,57.86 arc(63.21,57.9) 63.25,58 63.25,58.07 arc(63.21,58.17) 63.11,58.21 62.99,58.21 arc(62.89,58.25) 62.85,58.35 62.85,58.42 arc(62.89,58.52) 62.99,58.56 63.11,58.56 arc(63.21,58.6) 63.25,58.7 63.25,58.77 arc(63.21,58.87) 63.11,58.91 62.99,58.91 arc(62.89,58.95) 62.85,59.05 62.85,59.12 arc(62.89,59.22) 62.99,59.26 63.11,59.26 arc(63.21,59.3) 63.25,59.4 63.25,59.47 arc(63.21,59.57) 63.11,59.61 62.99,59.61 arc(62.89,59.65) 62.85,59.75 62.85,59.82 arc(62.89,59.92) 62.99,59.96 63.11,59.96 arc(63.21,60) 63.25,60.1 63.25,60.17 arc(63.21,60.27) 63.11,60.31 62.99,60.31 arc(62.89,60.35) 62.85,60.45 62.85,60.52 arc(62.89,60.62) 62.99,60.66 63.11,60.66 arc(63.21,60.7) 63.25,60.8 63.25,60.87 arc(63.21,60.97) 63.11,61.01 62.99,61.01 arc(62.89,61.05) 62.85,61.15 62.85,61.22 arc(62.89,61.32) 62.99,61.36 63.11,61.36 arc(63.21,61.4) 63.25,61.5 63.25,61.57 arc(63.21,61.67) 63.11,61.71 62.99,61.71 arc(62.89,61.75) 62.85,61.85 62.85,61.92 arc(62.89,62.02) 62.99,62.06 63.11,62.06 arc(63.21,62.1) 63.25,62.2 63.25,62.27 arc(63.21,62.37) 63.11,62.41 62.99,62.41 arc(62.89,62.45) 62.85,62.55 62.85,62.62 arc(62.89,62.72) 62.99,62.76 63.11,62.76 arc(63.21,62.8) 63.25,62.9 63.25,62.97 arc(63.21,63.07) 63.11,63.11 62.99,63.11 arc(62.89,63.15) 62.85,63.25 62.85,63.32 arc(62.89,63.42) 62.99,63.46 63.11,63.46 arc(63.21,63.5) 63.25,63.6 63.25,63.67 arc(63.21,63.77) 63.11,63.81 62.99,63.81 arc(62.89,63.85) 62.85,63.95 62.85,64.02 arc(62.89,64.12) 62.99,64.16 63.11,64.16 arc(63.21,64.2) 63.25,64.3 63.25,64.37 arc(63.21,64.47) 63.11,64.51 62.99,64.51 arc(62.89,64.55) 62.85,64.65 62.85,64.72 arc(62.89,64.82) 62.99,64.86 63.11,64.86 arc(63.21,64.9) 63.25,65 63.25,65.07 arc(63.21,65.17) 63.11,65.21 62.99,65.21 arc(62.89,65.25) 62.85,65.35 62.85,65.42 arc(62.89,65.52) 62.99,65.56 63.11,65.56 arc(63.21,65.6) 63.25,65.7 63.25,65.77 arc(63.21,65.87) 63.11,65.91 62.99,65.91 arc(62.89,65.95) 62.85,66.05 62.85,66.12 arc(62.89,66.22) 62.99,66.26 63.11,66.26 arc(63.21,66.3) 63.25,66.4 63.25,66.47 arc(63.21,66.57) 63.11,66.61 62.99,66.61 arc(62.89,66.65) 62.85,66.75 62.85,66.82 arc(62.89,66.92) 62.99,66.96 63.11,66.96 arc(63.21,67) 63.25,67.1 63.25,67.17 arc(63.21,67.27) 63.11,67.31 62.99,67.31 arc(62.89,67.35) 62.85,67.45 62.85,67.52 arc(62.89,67.62) 62.99,67.66 63.11,67.66 arc(63.21,67.7) 63.25,67.8 63.25,67.87 arc(63.21,67.97) 63.11,68.01 62.99,68.01 arc(62.89,68.05) 62.85,68.15 62.85,68.22 arc(62.89,68.32) 62.99,68.36 63.11,68.36 arc(63.21,68.4) 63.25,68.5 63.25,68.57 arc(63.21,68.67) 63.11,68.71 62.99,68.71 arc(62.89,68.75) 62.85,68.85 62.85,68.92 arc(62.89,69.02) 62.99,69.06 63.11,69.06 arc(63.21,69.1) 63.25,69.2 63.25,69.27 arc(63.21,69.37) 63.11,69.41 62.99,69.41 arc(62.89,69.45) 62.85,69.55 62.85,69.62 arc(62.89,69.72) 62.99,69.76 63.11,69.76 arc(63.21,69.8) 63.25,69.9 63.25,69.97 arc(63.21,70.07) 63.11,70.11 62.99,70.11 arc(62.89,70.15) 62.85,70.25 62.85,70.32 arc(62.89,70.42) 62.99,70.46 63.11,70.46 arc(63.21,70.5) 63.25,70.6 63.25,70.67 arc(63.21,70.77) 63.11,70.81 62.99,70.81 arc(62.89,70.85) 62.85,70.95 62.85,71.02 arc(62.89,71.12) 62.99,71.16 63.11,71.16 arc(63.21,71.2) 63.25,71.3 63.25,71.37 arc(63.21,71.47) 63.11,71.51 62.99,71.51 arc(62.89,71.55) 62.85,71.65 62.85,71.72 arc(62.89,71.82) 62.99,71.86 63.11,71.86 arc(63.21,71.9) 63.25,72 63.25,72.75 67.5,77 v1(67.5,77.5)
  Bottom signal w0.15: R35.1 v1(30.67,34.77)
